# Altium PCB FMC_ADC_250M_16B_4ch_pcb.PcbDoc (part 1 of 8) (continued)
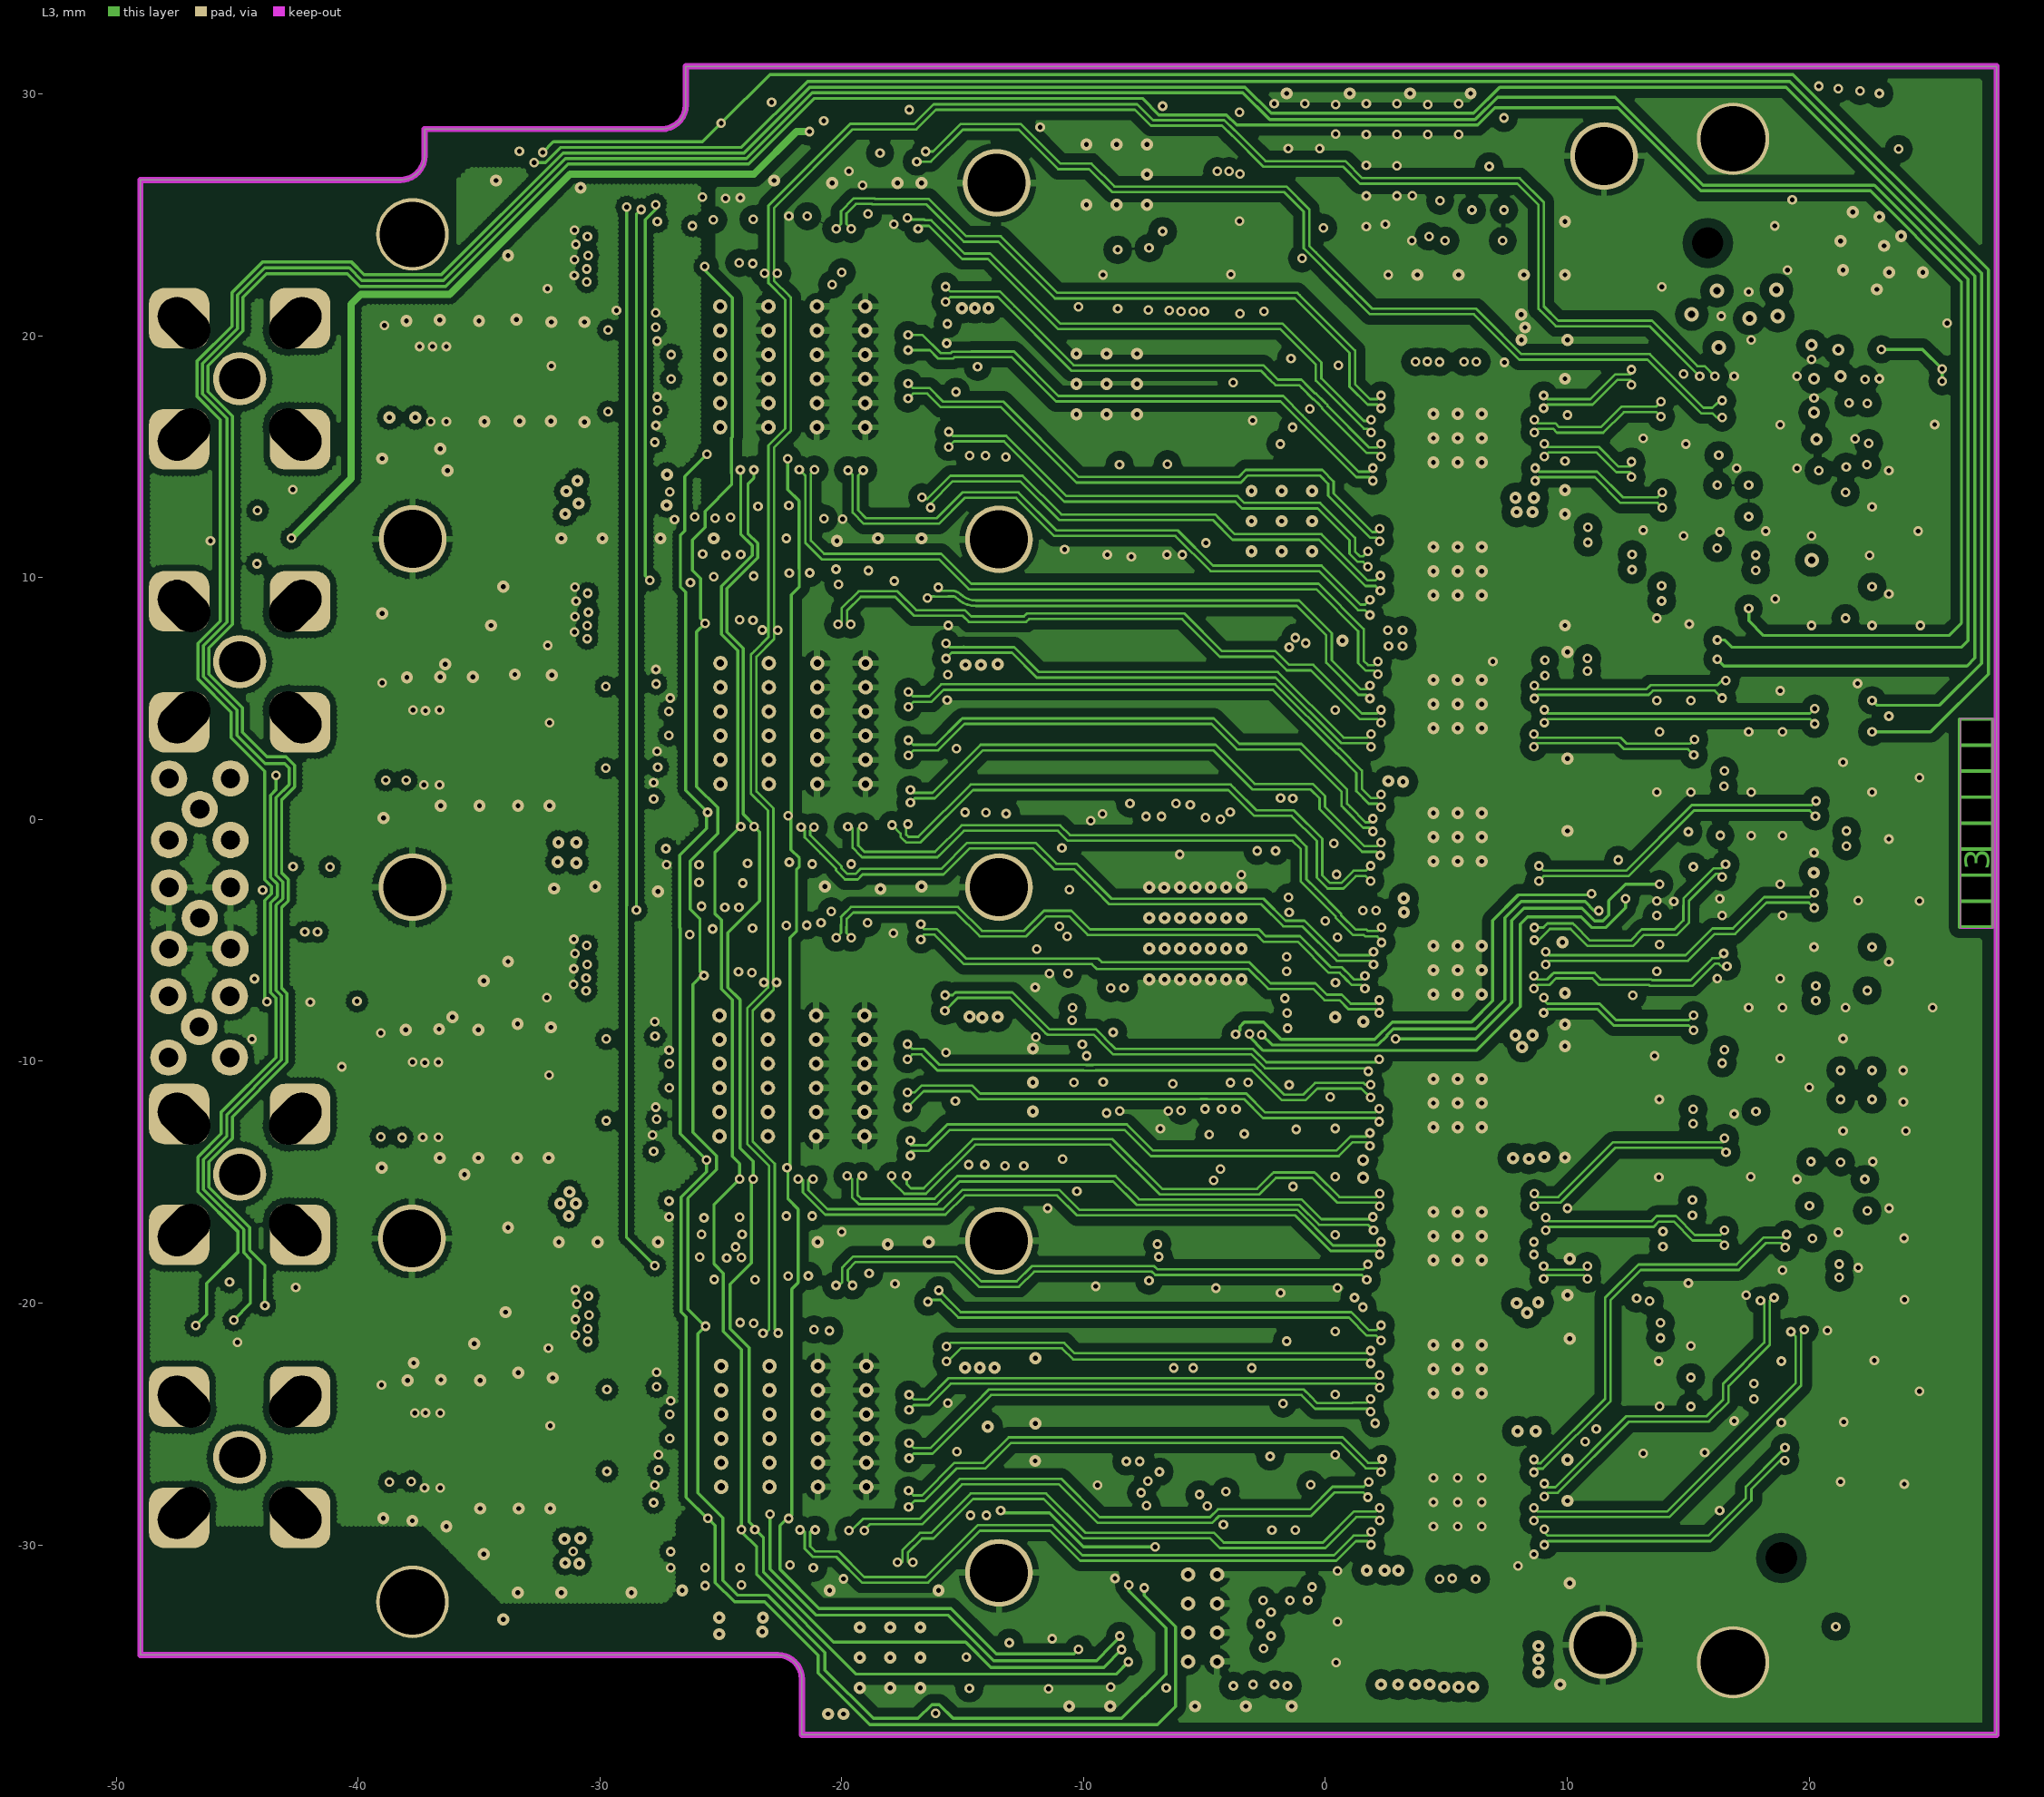
[diagram p3: L3]
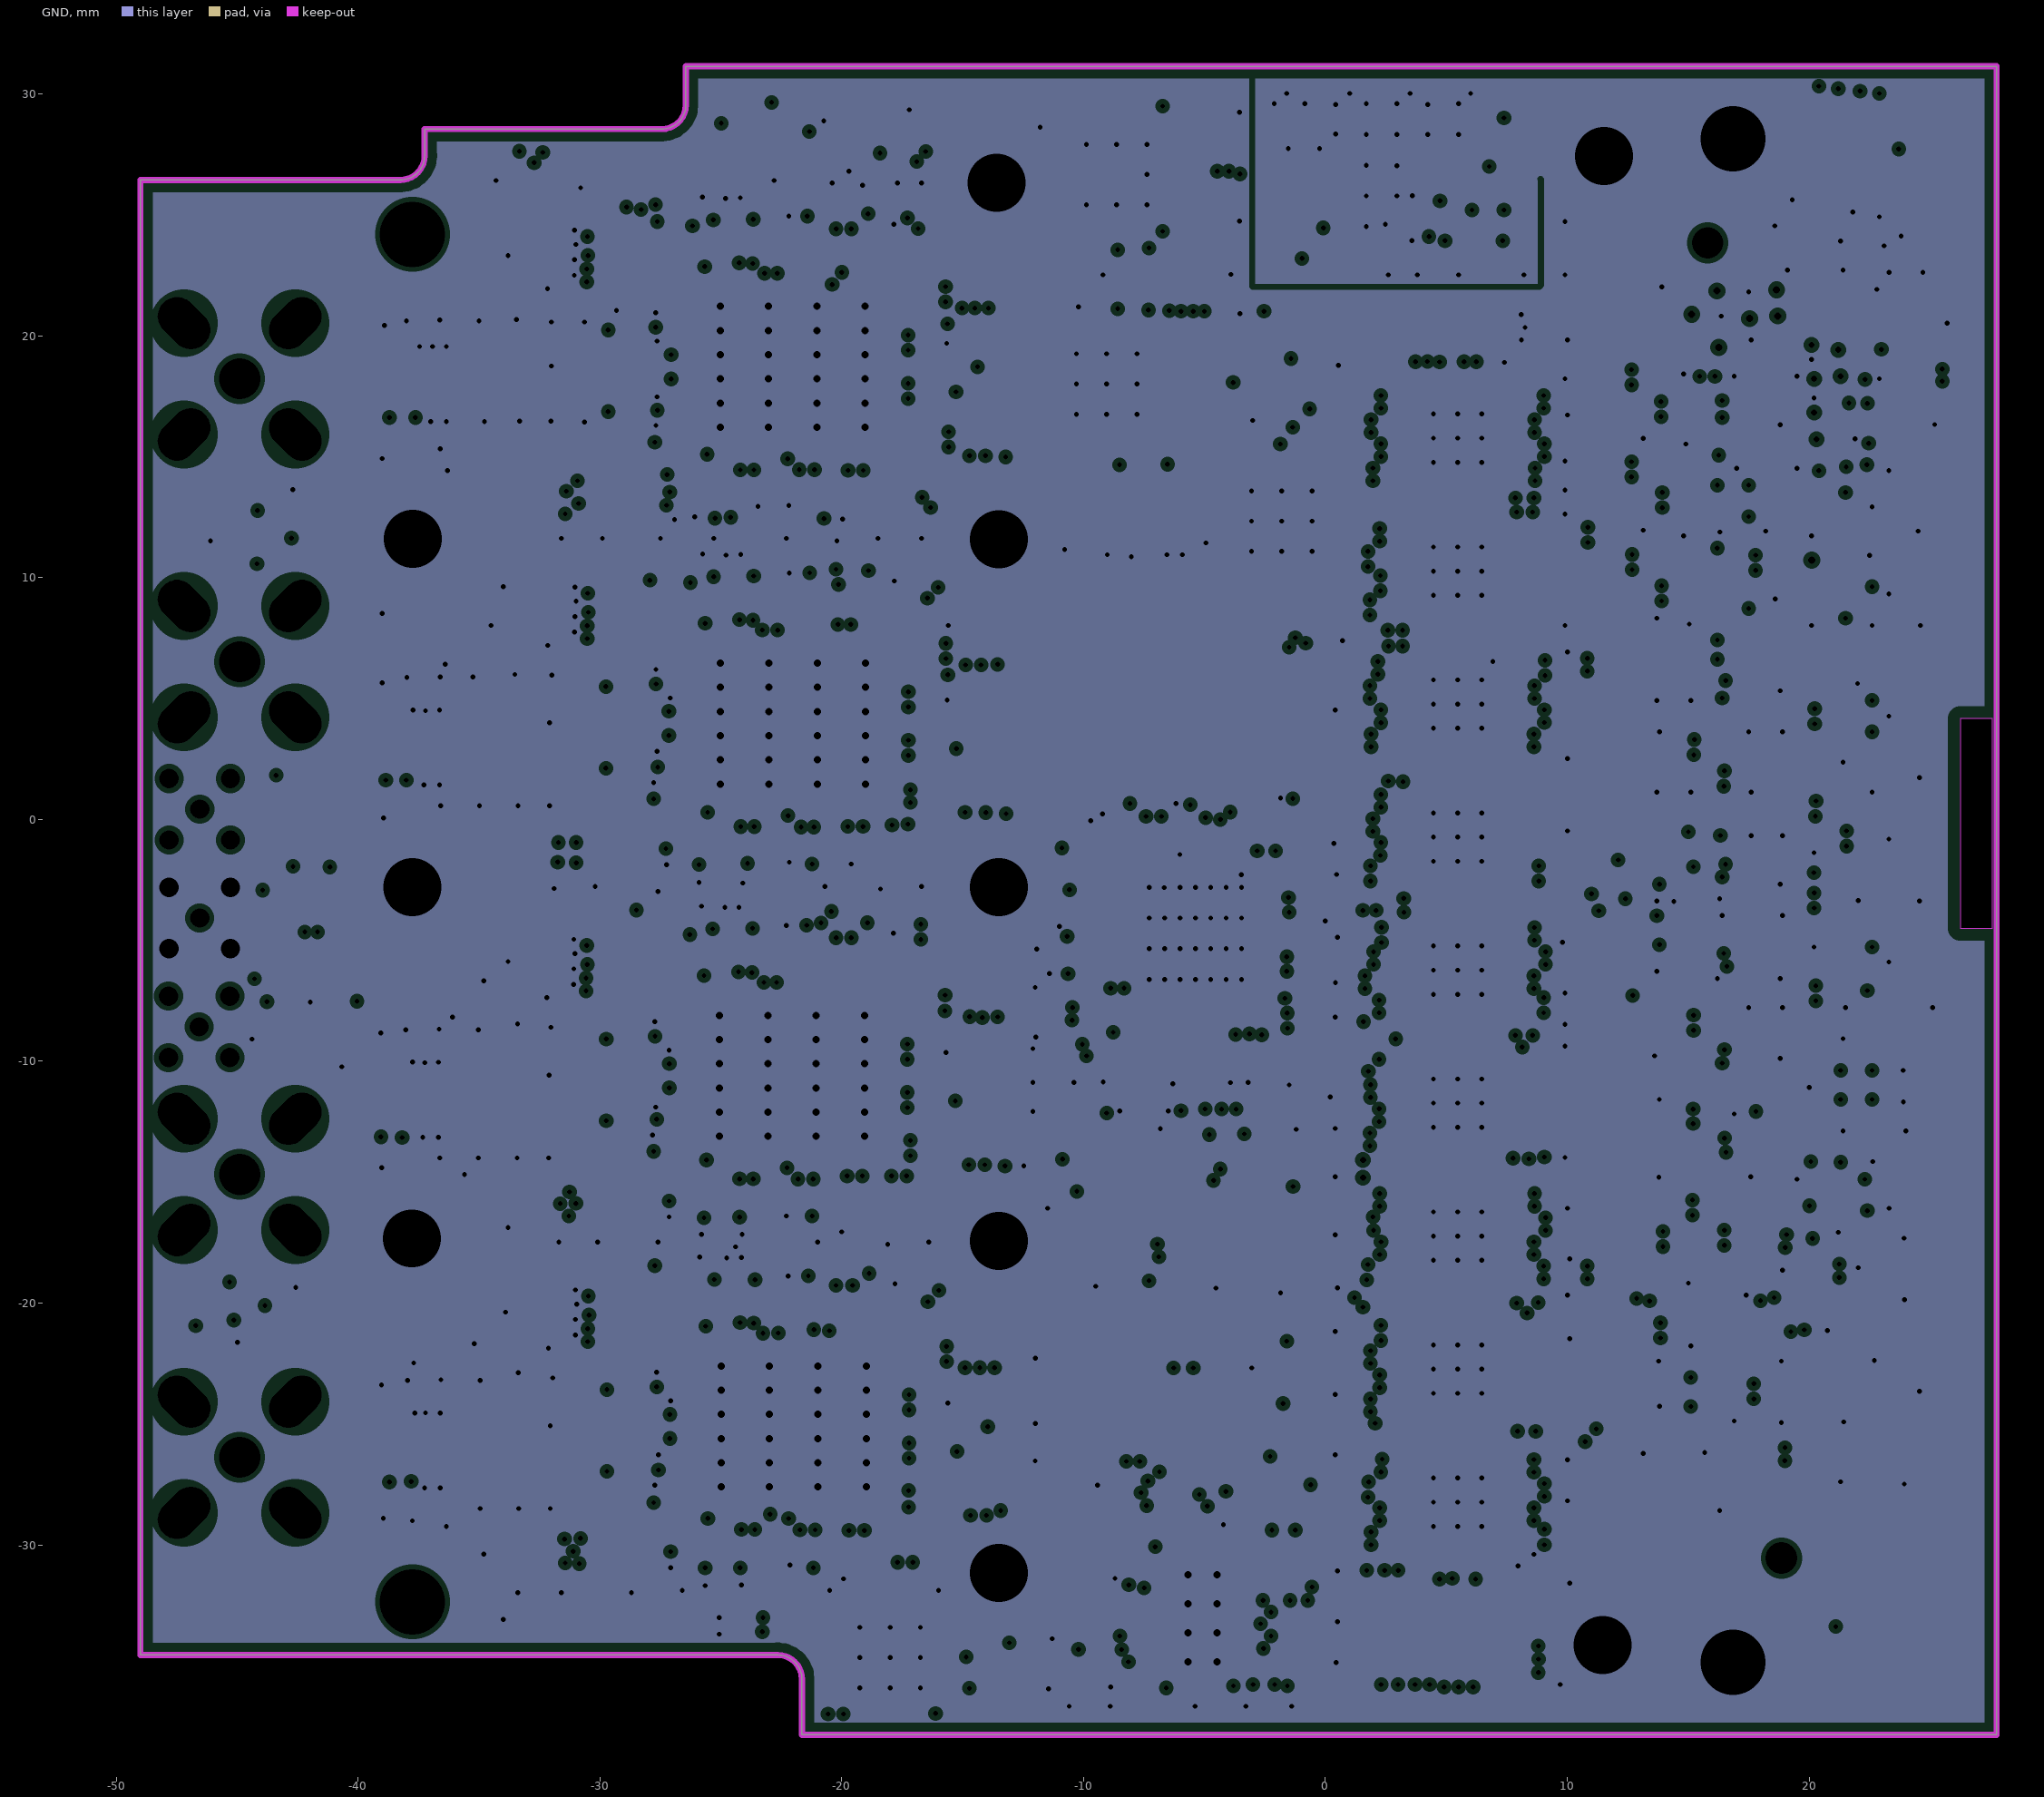
[diagram p4: GND, clearances drawn from the general rule]
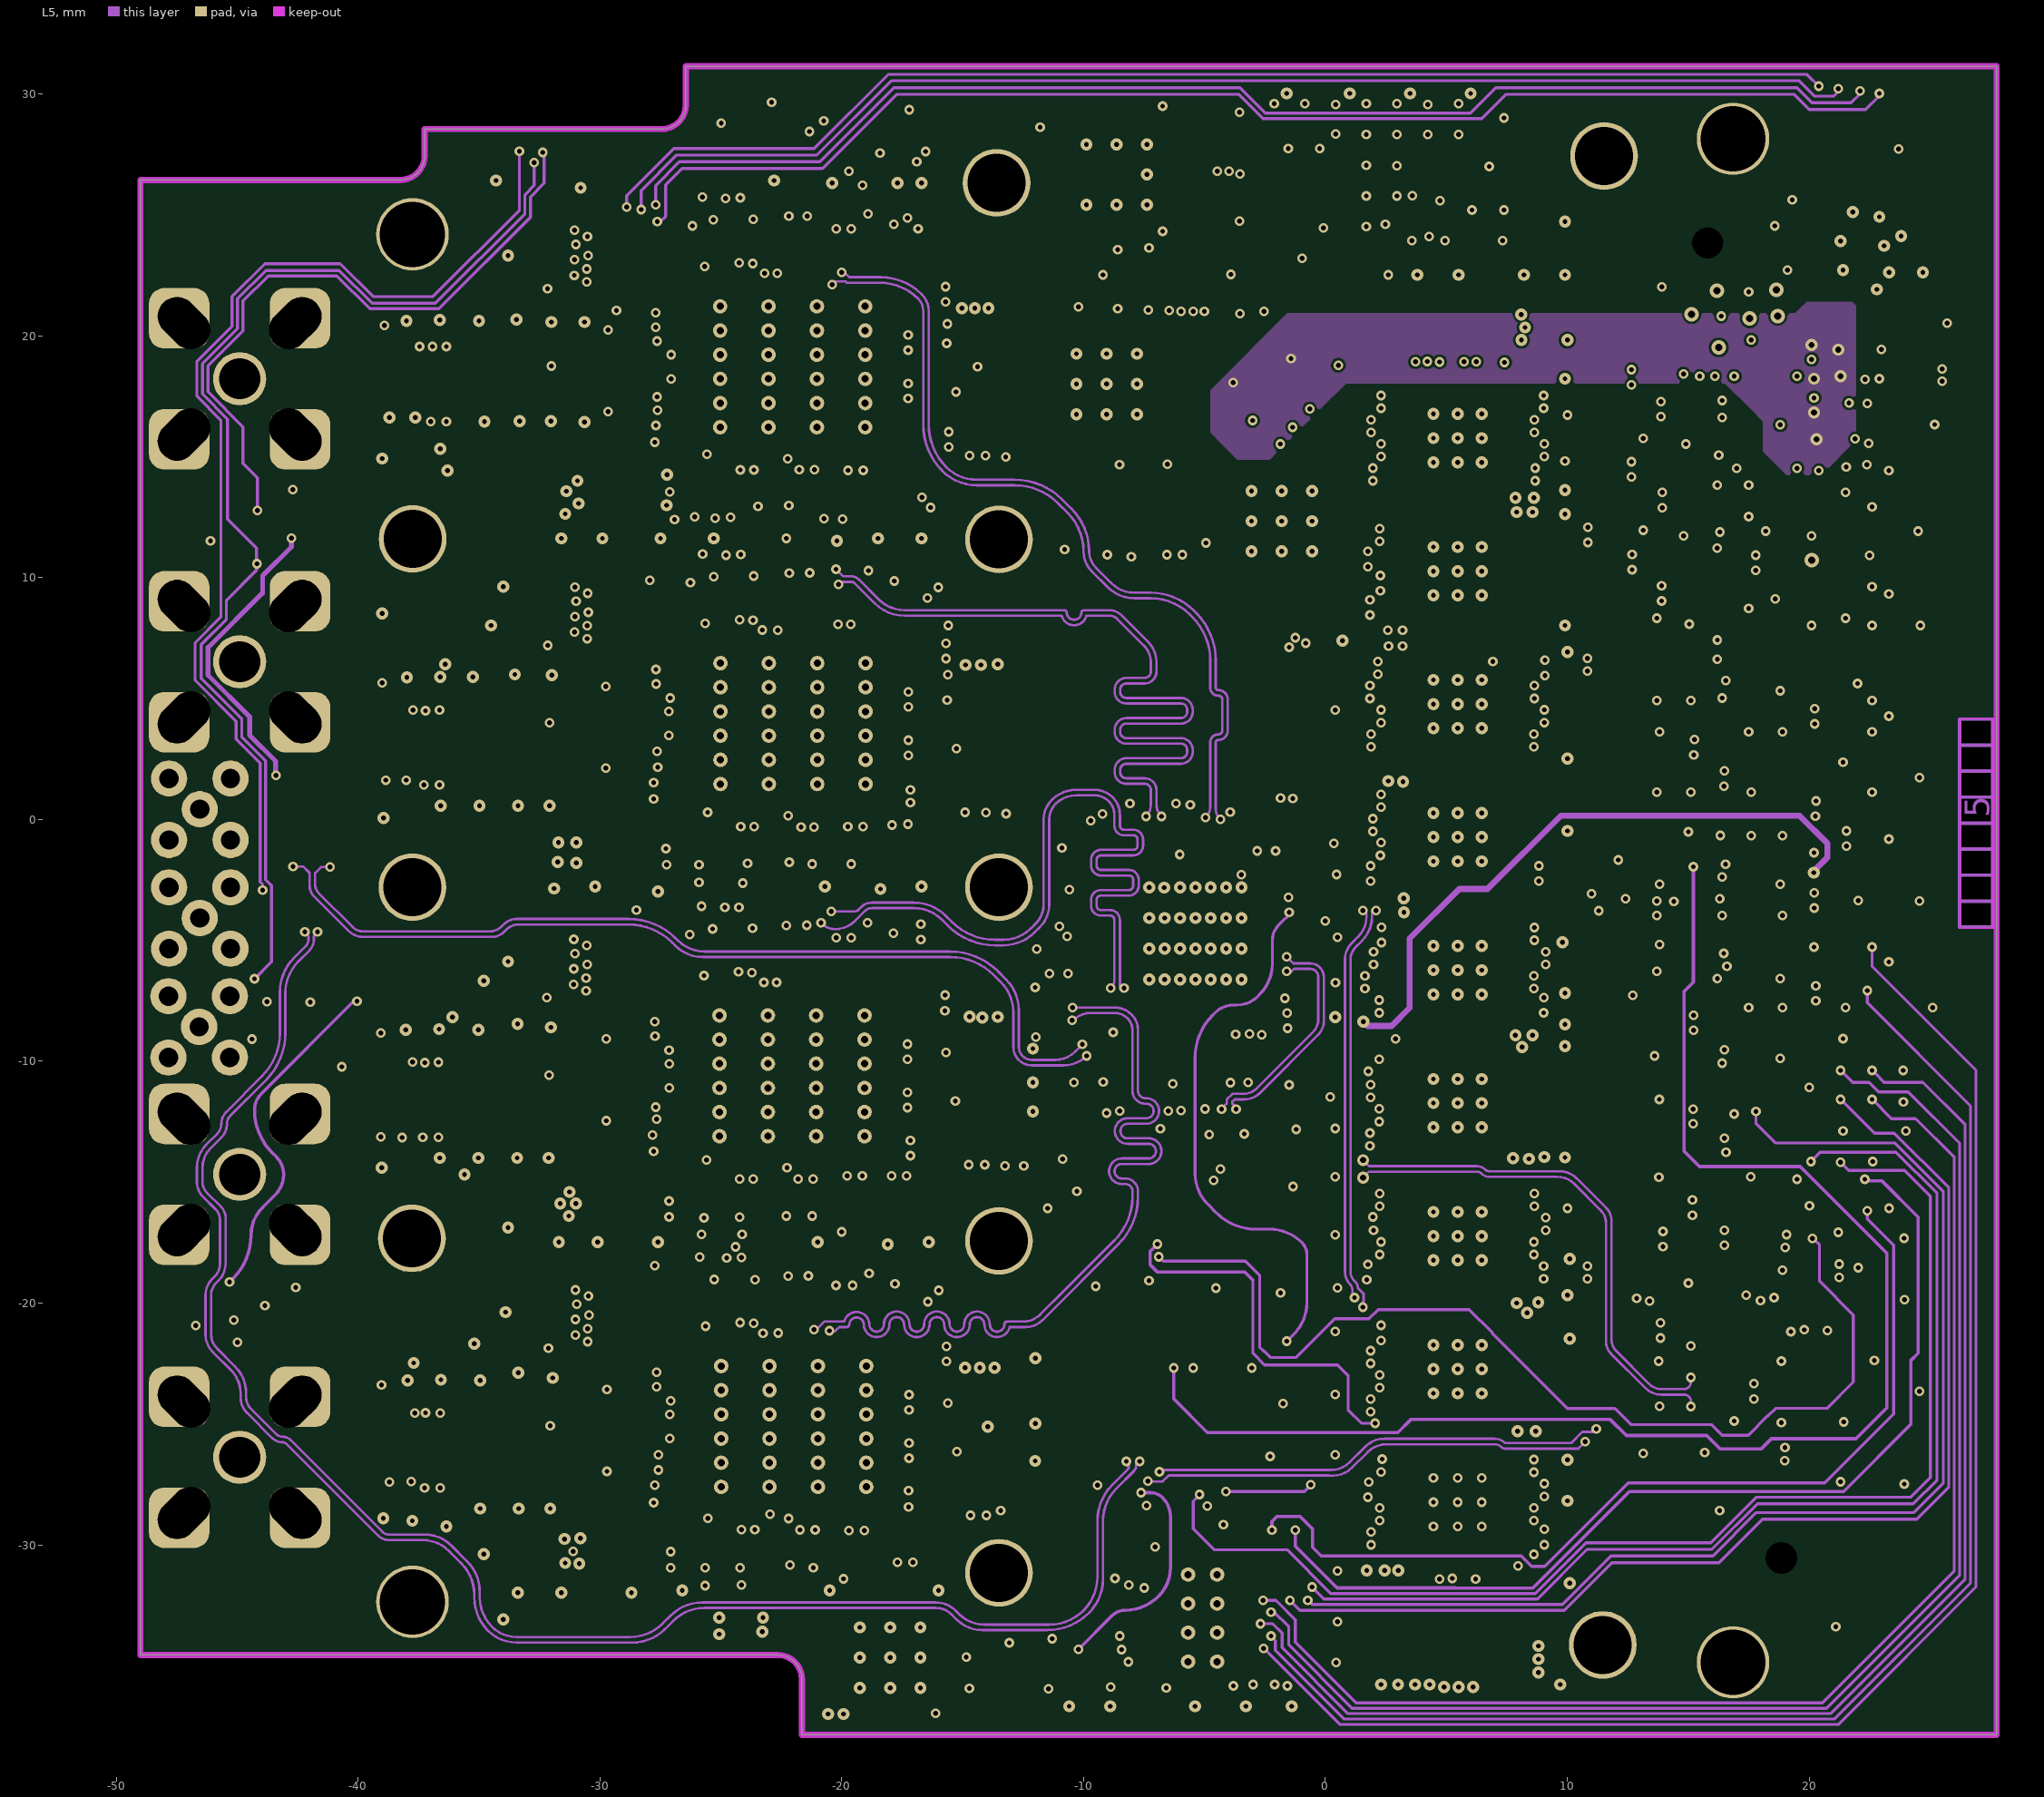
[diagram p5: L5]
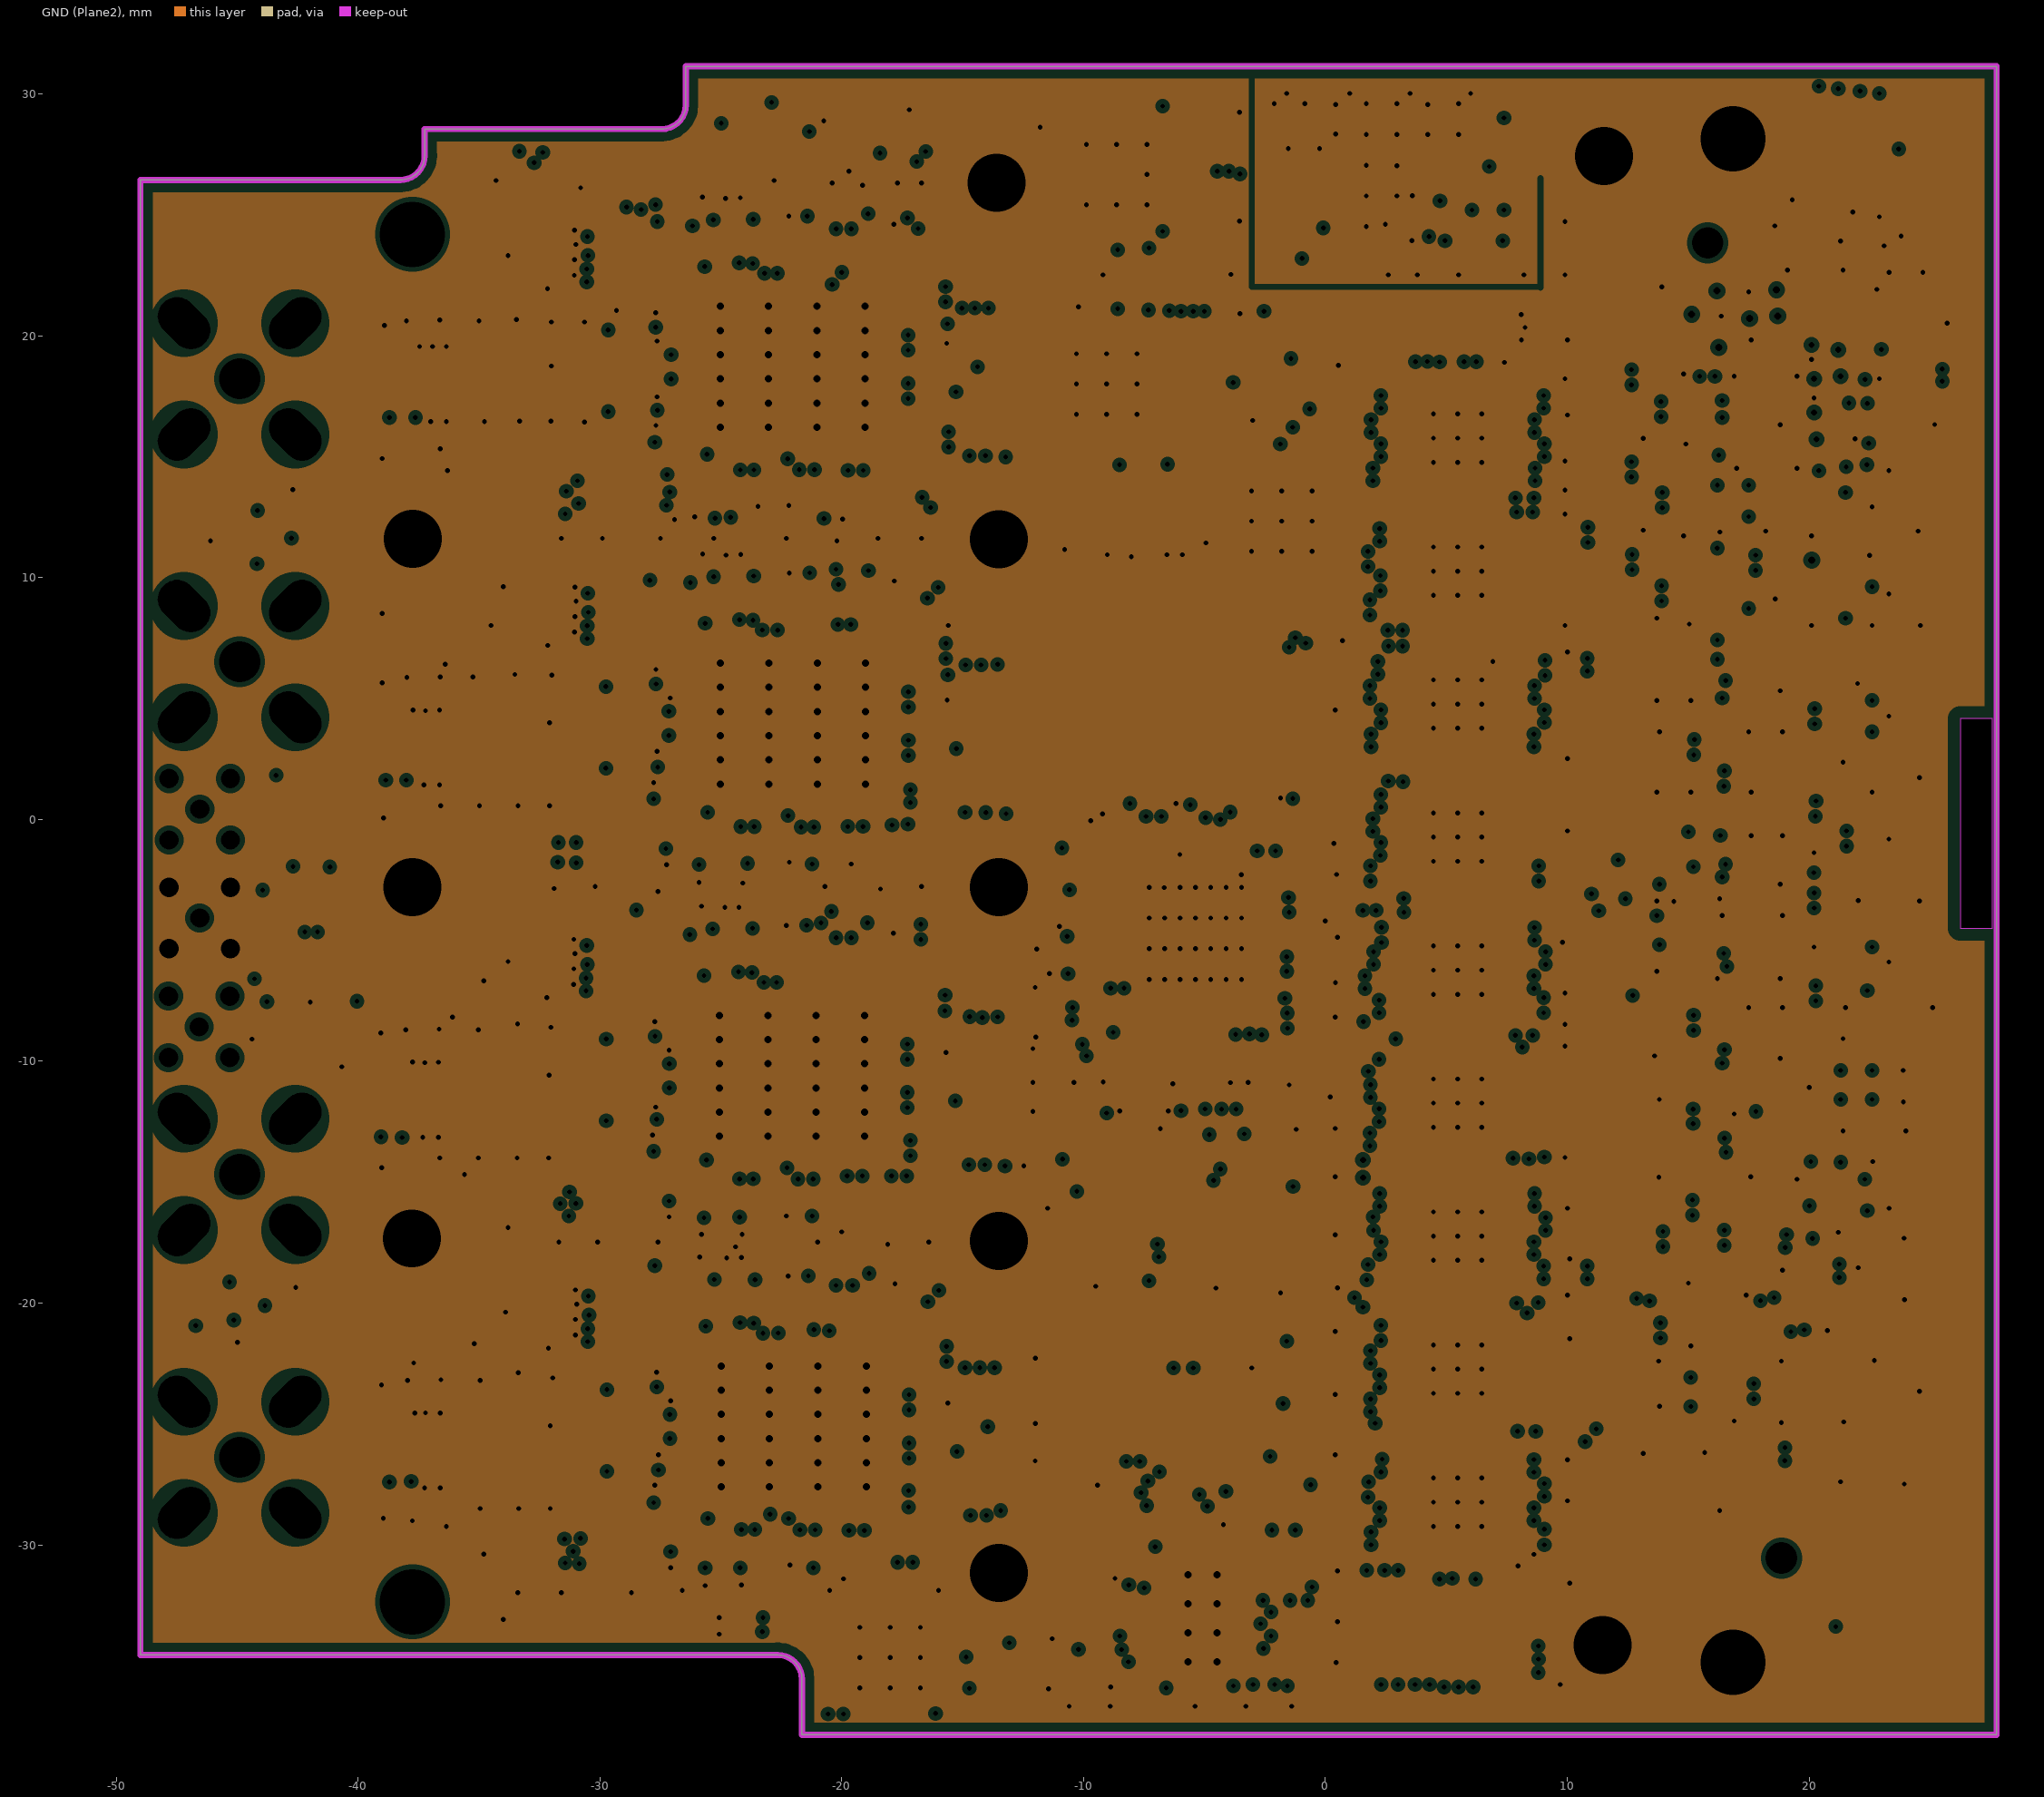
[diagram p6: GND (Plane2), clearances drawn from the general rule]